# Altium PCB meltdown_hardware.PcbDoc (part 2 of 2)
Units mm, origin at the board's own origin, x right, y up, seen from the top; angles counter-clockwise.
Board outline 88 x 80 mm, 4 copper layers (Top Layer, PWR, GND, Bottom Layer), stack 1.566 mm thick; 95 components, 85 nets, 364 pads, 184 vias.
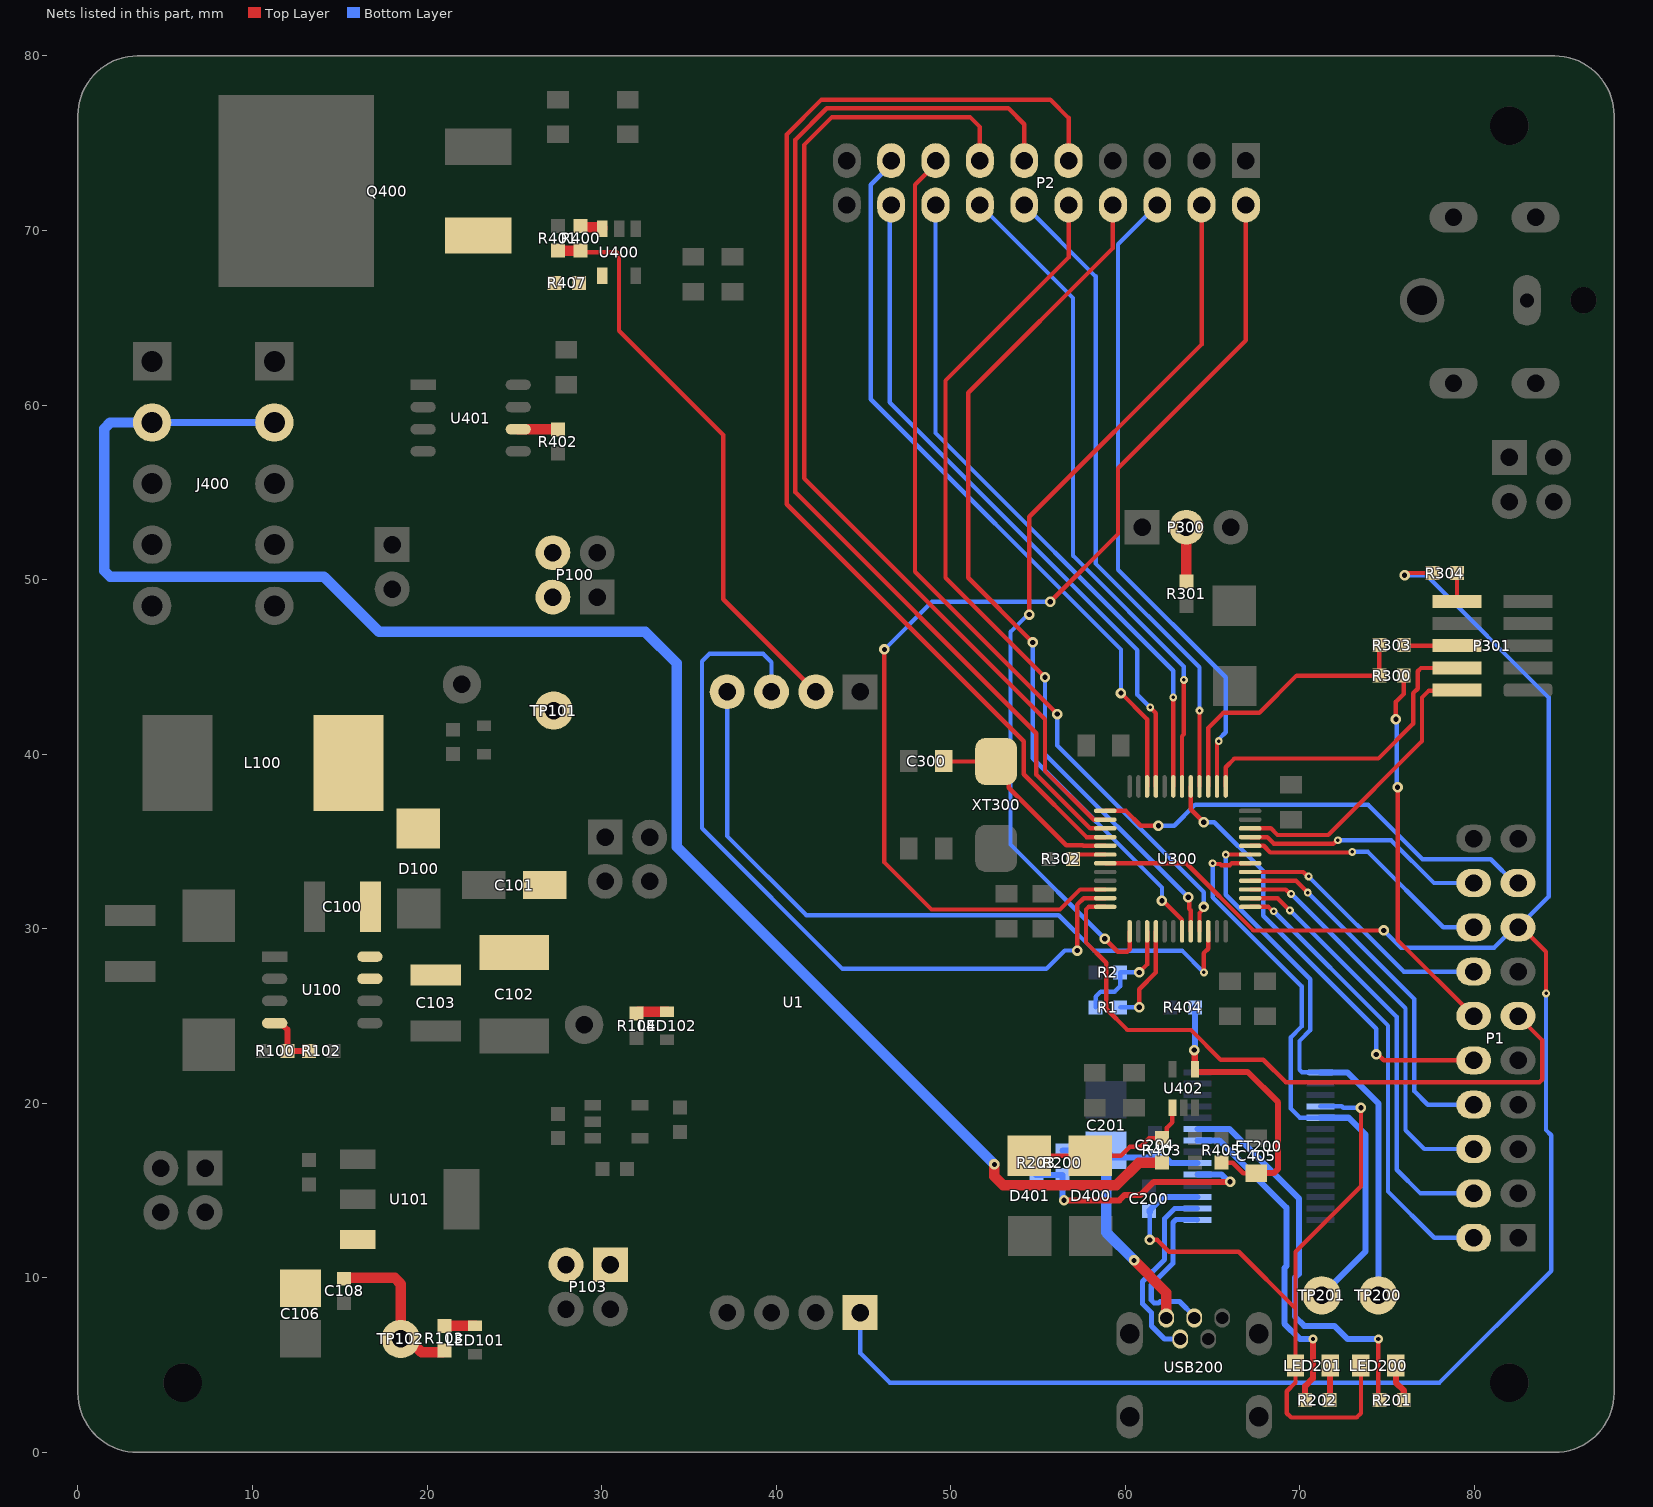
[diagram p4: the nets of this part, all layers, seen from the top]

## Via types
v1: diameter 0.6, hole 0.3, Top Layer to Bottom Layer, 148 vias
v2: diameter 0.45, hole 0.2, Top Layer to Bottom Layer, 20 vias
v3: diameter 0.55, hole 0.3, Top Layer to Bottom Layer, 11 vias
v4: diameter 0.5, hole 0.25, Top Layer to Bottom Layer, 4 vias
v5: diameter 1.27, hole 0.711, Top Layer to Bottom Layer, 1 vias

## Nets (pads, with @x,y where several pads share a name; then routed paths per layer and width w, separated by ;. In a path a pad name is that pad's centre, name@x,y a point inside that pad or via, vN(x,y) a via of type N, cw(c..) or ccw(c..) an arc to the next point about the centre after c; other vN are vias at no path point) (continued)
NetLED101_1: LED101.1 R103.1 | length 1.7
  Top Layer w0.6: R103.1@21,7.25 LED101.1@22.75,7.25
NetLED102_1: LED102.1 R104.1 | length 1.8
  Top Layer w0.6: R104.1@32,25.15 32.1,25.25 LED102.1@33.75,25.25
NetLED200_0: LED200.0 R201.0 | length 2.2
  Top Layer w0.35: LED200.0@75.5,4.975 75.5,4 75.95,3.55 R201.0@75.95,3
NetLED201_0: LED201.0 R202.0 | length 2
  Top Layer w0.35: R202.0@71.725,3 71.725,4.95 LED201.0@71.75,4.975
NetP1_17: P1.17 U300.28 | length 21.2
  Top Layer w0.25: U300.28@67.15,32.75 69.775,32.75 v2(70.45,32.075)
  Bottom Layer w0.25: v2(70.45,32.075) 76.55,25.975 76.55,20.7 77.33,19.92 P1.17@79.96,19.92
NetP1_18: P1.18 U300.27 | length 23.1
  Top Layer w0.25: U300.27@67.15,32.25 69.196,32.25 69.446,32 v2(69.5,32)
  Bottom Layer w0.25: v2(69.5,32) 76.05,25.45 76.05,18.45 77.12,17.38 P1.18@79.96,17.38
NetP1_19: P1.19 U300.26 | length 24.9
  Top Layer w0.25: U300.26@67.15,31.75 68.725,31.75 v2(69.425,31.05)
  Bottom Layer w0.25: v2(69.425,31.05) 69.45,31.05 75.55,24.95 75.55,16.2 76.91,14.84 P1.19@79.96,14.84
NetP1_20: P1.20 U300.25 | length 26.2
  Top Layer w0.25: U300.25@67.15,31.25 68.196,31.25 68.446,31 v2(68.5,31)
  Bottom Layer w0.25: v2(68.5,31) 75.05,24.45 75.05,14.95 77.7,12.3 P1.20@79.96,12.3
NetP300_2: P300.2 R301.0 | length 3.1
  Top Layer w0.6: R301.0@63.5,49.9 P300.2@63.5,53
NetQ400_1: Q400.1 R407.0 | length 0.3
  Top Layer w0.6: Q400.1@22.939,69.71 Q400.1@23.149,69.5
NetR400_0: R400.0 U400.3 | length 1.4
  Top Layer w0.6: R400.0@28.8,70.25 28.875,70.175 30.05,70.175 U400.3@30.05,70.1
NetR400_1: R400.1 R401.0 U1.6 | length 33.3
  Top Layer w0.25: R400.1@28.8,68.85 28.9,68.75 30.854,68.75 31,68.604 31,64.25 36.968,58.282 36.968,48.872 U1.6@42.27,43.57
  Top Layer w0.6: R401.0@27.5,68.85 R400.1@28.8,68.85
NetR402_0: R402.0 U401.6 | length 2.3
  Top Layer w0.6: U401.6@25.225,58.615 25.65,58.615 25.654,58.611 R402.0@27.5,58.611
NetR407_1: R407.1 U400.4
nRESET: P1.8 R304.0 U1.4 U300.7 | length 118.7
  Top Layer w0.25: U300.7@58.85,33.75 63.489,33.75 67.339,29.9 v1(74.8,29.9) ; v1(76,50.25) 76.095,50.25 76.22,50.375 R304.0@77.6,50.375 ; P1.8@82.5,30.08 82.7,30.08 84.1,28.68 v2(84.1,26.3)
  Bottom Layer w0.25: U1.4@44.81,8.01 44.81,5.69 46.5,4 78,4 84.4,10.4 84.4,18.173 84.1,18.473 v2(84.1,26.3) ; v1(74.8,29.9) 75.795,28.905 81.125,28.905 82.3,30.08 P1.8@82.5,30.08 84.25,31.83 84.25,43.25 77.25,50.25 v1(76,50.25)
OP_IN-: R1.1 R2.1 U300.15 | length 6.7
  Top Layer w0.25: v1(60.8,27.5) 61.25,27.95 U300.15@61.25,29.85
  Bottom Layer w0.25: R1.1@58.3,25.5 58.3,26.1 58.6,26.4 59.4,26.4 59.7,26.7 R2.1@59.7,27.5 v1(60.8,27.5)
OP_OUT: R1.0 U300.16 | length 5.8
  Top Layer w0.25: v1(60.8,25.5) 60.8,26.54 61.75,27.49 U300.16@61.75,29.85
  Bottom Layer w0.25: R1.0@59.7,25.5 v1(60.8,25.5)
OSC_IN: C300.0 U300.5 XT300.2 | length 11.7
  Top Layer w0.25: XT300.2@52.6,39.58 53.324,38.856 53.324,38.076 56.621,34.779 57.557,34.779 57.586,34.75 U300.5@58.85,34.75
  Top Layer w0.254: C300.0@49.6,39.6 49.62,39.58 XT300.2@52.6,39.58
OSC_OUT: R302.0 U300.6 | length 2
  Top Layer w0.25: R302.0@57,34 57.25,34.25 U300.6@58.85,34.25
PA0: P2.20 U300.10 | length 64.5
  Top Layer w0.25: v1(46.2,46) 46.2,33.8 48.9,31.1 56.261,31.1 57.411,32.25 U300.10@58.85,32.25 ; v1(55.7,48.725) 59.585,52.61 59.585,56.385 66.91,63.71 P2.20@66.91,71.46
  Bottom Layer w0.25: v1(46.2,46) 48.925,48.725 v1(55.7,48.725)
PA3: P2.19 U300.13 | length 51.7
  Top Layer w0.25: v1(54.5,48) 54.5,53.6 64.37,63.47 P2.19@64.37,71.46 ; v1(58.825,29.425) 59.571,28.679 60.104,28.679 60.25,28.825 U300.13@60.25,29.85
  Bottom Layer w0.25: v1(54.5,48) 54.421,48 53.425,47.004 53.425,34.825 v1(58.825,29.425)
PA8: P1.14 U300.29 | length 15.2
  Top Layer w0.25: U300.29@67.15,33.25 70.196,33.25 70.446,33 v2(70.5,33)
  Bottom Layer w0.25: v2(70.5,33) 75.96,27.54 P1.14@79.96,27.54
PA11: P1.13 U300.32 | length 14.8
  Top Layer w0.25: U300.32@67.15,34.75 67.925,34.75 68.304,34.371 72.971,34.371 v2(73,34.4)
  Bottom Layer w0.25: v2(73,34.4) 73.9,34.4 78.22,30.08 P1.13@79.96,30.08
PA12: P1.12 U300.33 | length 14.1
  Top Layer w0.25: U300.33@67.15,35.25 68.132,35.25 68.511,34.871 71.921,34.871 72.123,35.073 v2(72.177,35.073)
  Bottom Layer w0.25: v2(72.177,35.073) 75.227,35.073 77.68,32.62 P1.12@79.96,32.62
PA15: P2.18 U300.38 | length 37
  Top Layer w0.25: U300.38@65.25,38.15 65.25,40.592 65.354,40.696 v2(65.354,40.75)
  Bottom Layer w0.25: P2.18@61.83,71.46 59.581,69.211 59.581,50.569 65.75,44.4 65.75,41.25 65.392,40.892 65.392,40.788 v2(65.354,40.75)
PB1: P2.17 U300.19 | length 50.2
  Top Layer w0.25: v1(54.7,46.4) 51,50.1 51,60.7 59.29,68.99 P2.17@59.29,71.46 ; v1(62.1,31.6) 62.161,31.6 63.25,30.511 U300.19@63.25,29.85
  Bottom Layer w0.25: v1(54.7,46.4) 54.7,39.76 62.1,32.36 v1(62.1,31.6)
PB2: P2.16 U300.20 | length 50.3
  Top Layer w0.25: v1(55.4,44.4) 49.7,50.1 49.7,61.4 56.75,68.45 P2.16@56.75,71.46 ; v1(63.6,31.8) 63.667,31.733 63.667,31.138 63.75,31.055 U300.20@63.75,29.85
  Bottom Layer w0.25: v1(55.4,44.4) 55.4,40 v1(63.6,31.8)
PB3: R300.1 R303.0 U300.39 | length 16.1
  Top Layer w0.25: U300.39@64.75,38.15 64.75,41.5 65.621,42.371 67.682,42.371 69.811,44.5 R300.1@74.55,44.5 R303.0@74.55,46.25
PB4: P2.15 U300.40 | length 37.5
  Top Layer w0.25: U300.40@64.25,38.15 v2(64.25,42.5)
  Bottom Layer w0.25: P2.15@54.21,71.46 58.3,67.37 58.3,50.925 64.25,44.975 v2(64.25,42.5)
PB6: P2.14 U300.42 | length 38.2
  Top Layer w0.25: U300.42@63.25,38.15 63.25,41.036 63.354,41.14 v2(63.354,44.25)
  Bottom Layer w0.25: P2.14@51.67,71.46 57,66.13 57,51.375 63.354,45.021 v2(63.354,44.25)
PB7: P2.13 U300.43 | length 39
  Top Layer w0.25: U300.43@62.75,38.15 v2(62.75,43.25)
  Bottom Layer w0.25: P2.13@49.13,71.46 49.13,58.395 62.75,44.775 v2(62.75,43.25)
PB8: P2.12 U300.45 | length 39.8
  Top Layer w0.25: P2.12@46.5,71.37 P2.12@46.59,71.46 ; v2(61.427,42.677) 61.75,42.354 U300.45@61.75,38.15
  Bottom Layer w0.25: P2.12@46.602,71.448 P2.12@46.59,71.46 46.5,71.37 46.5,60.15 60.694,45.956 60.694,43.41 v2(61.427,42.677)
PB9: P2.9 U300.46 | length 43.4
  Top Layer w0.25: v1(59.75,43.5) 61.25,42 U300.46@61.25,38.15
  Bottom Layer w0.25: P2.9@46.59,74.485 P2.9@46.59,74 46.59,73.8 45.415,72.625 45.415,60.335 59.75,46 v1(59.75,43.5)
PB10: P2.8 U300.21 | length 51.6
  Top Layer w0.25: P2.8@49.13,74 49.13,73.8 47.955,72.625 47.955,50.445 v1(56.1,42.3) ; U300.21@64.25,29.85 64.25,30.905 64.5,31.155 v1(64.5,31.25)
  Bottom Layer w0.25: v1(56.1,42.3) 56.1,40.5 64.5,32.1 v1(64.5,31.25)
PC13: P2.7 U300.2 | length 59.1
  Top Layer w0.25: P2.7@51.67,74 51.67,75.93 51.104,76.496 43.196,76.496 41.6,74.9 41.6,55.8 55.4,42 55.4,39.039 58.189,36.25 U300.2@58.85,36.25
PC14: P2.6 U300.3 | length 63.6
  Top Layer w0.25: P2.6@54.21,74 54.21,76.09 53.304,76.996 42.896,76.996 41.1,75.2 41.1,55 54.9,41.2 54.9,38.832 57.982,35.75 U300.3@58.85,35.75
PC15: P2.5 U300.4 | length 68.3
  Top Layer w0.25: P2.5@56.75,74 56.75,76.45 55.704,77.496 42.596,77.496 40.6,75.5 40.6,54.315 54.179,40.736 54.179,38.845 57.774,35.25 U300.4@58.85,35.25
PH: C100.1 D100.1 L100.2 U100.8
PROT_INT: U1.8 U300.22 | length 41.3
  Top Layer w0.25: v2(64.5,27.5) 64.5,28.604 64.75,28.854 U300.22@64.75,29.85
  Bottom Layer w0.25: U1.8@37.19,43.57 37.19,35.31 41.731,30.769 56.191,30.769 58.214,28.746 63.254,28.746 v2(64.5,27.5)
RESET#: FT200.19 R200.1 R203.0 | length 15
  Top Layer w0.35: v1(56.488,14.443) 59.651,14.443 59.959,14.75 60.875,14.75 61.625,15.5 v1(66,15.5)
  Bottom Layer w0.35: R203.0@54.9,15.9 R200.1@56.4,15.9 56.4,14.599 56.488,14.51 v1(56.488,14.443) ; FT200.19@64.125,15.925 65.507,15.925 65.932,15.5 v1(66,15.5)
RXD: FT200.5 TP201.0 U300.30 | length 33.8
  Top Layer w0.25: v2(65,33.75) 65.038,33.712 65.434,33.712 65.5,33.646 66,33.646 66.104,33.75 U300.30@67.15,33.75
  Bottom Layer w0.25: v2(65,33.75) 65,31.8 70.1,26.7 70.1,24.4 69.475,23.775 69.475,19.7 70,19.175 FT200.5@71.175,19.175
  Bottom Layer w0.35: FT200.5@71.175,19.175 72.794,19.175 73.75,18.219 73.75,11.5 TP201.0@71.25,9
RXLED: FT200.22 R202.1 | length 19.1
  Top Layer w0.35: R202.1@70.3,3 70.3,3.793 70.75,4.243 v4(70.75,6.5)
  Bottom Layer w0.35: FT200.22@64.125,17.875 65.375,17.875 69.229,14.021 69.229,10.672 69.117,10.56 69.117,7.383 70,6.5 v4(70.75,6.5)
SENSE: R100.1 R102.0 U100.4 | length 3.4
  Top Layer w0.35: U100.4@11.275,24.595 11.632,24.595 12,24.227 R100.1@12,23 R102.0@13.25,23
SPI3_MOSI: P1.16 U300.41 | length 25.8
  Top Layer w0.25: U300.41@63.75,38.15 63.75,36.85 v1(64.5,36.1) ; v1(74.371,22.8) 74.466,22.8 74.806,22.46 P1.16@79.96,22.46
  Bottom Layer w0.25: v1(64.5,36.1) 65.1,36.1 67.896,33.304 67.896,30.75 74.371,24.275 v1(74.371,22.8)
SPI3_SCK: P1.15 R300.0 | length 21.5
  Top Layer w0.25: v1(75.5,42) 75.5,43 75.95,43.45 R300.0@75.95,44.5 ; v1(75.6,38.1) 75.6,29.36 P1.15@79.96,25
  Bottom Layer w0.25: v1(75.5,42) 75.55,41.95 75.55,38.15 v1(75.6,38.1)
T_NRST: P301.10 R304.1 | length 1.6
  Top Layer w0.254: P301.10@79,48.75 R304.1@79,50.375
T_SWCLK: P301.4 U300.37 | length 18.3
  Top Layer w0.25: U300.37@65.75,38.15 65.75,39.25 66.25,39.75 74.5,39.75 76.5,41.75 76.5,43.5 76.75,43.75 76.75,44.75 76.94,44.94 P301.4@79,44.94
T_SWDIO: P301.2 U300.34 | length 16.9
  Top Layer w0.25: U300.34@67.15,35.75 68.339,35.75 68.718,35.371 71.621,35.371 77,40.75 77,43.25 77.374,43.624 78.954,43.624 P301.2@79,43.67
T_SWO: P301.6 R303.1 | length 3.1
  Top Layer w0.25: R303.1@75.95,46.25 75.98,46.22 P301.6@79,46.22
TEMP_SENSE_IN: J400.2 R403.0 | length 100.3
  Top Layer w0.6: v1(52.5,16.5) 52.5,15.817 53.021,15.296 55.979,15.296 ; 55.98,15.297 56.52,15.297 ; 56.521,15.296 59.479,15.296 60.783,16.6 R403.0@62.1,16.6
  Bottom Layer w0.4: J400.2@4.25,59 J400.2@11.25,59
  Bottom Layer w0.6: J400.2@4.25,59 1.851,59 1.5,58.649 1.5,50.505 1.851,50.154 14.096,50.154 17.25,47 32.5,47 34.3,45.2 34.3,34.7 v1(52.5,16.5)
TEMP_SENSE_IN_R: D400.1 D401.2 R403.1 U402.1 | length 10
  Top Layer w0.254: D401.2@54.5,17 D400.1@58,17 59.75,17 60.25,17.5 60.857,17.5 61.357,18 R403.1@62.1,18 62.373,18.273 62.373,18.591 62.7,18.918 U402.1@62.7,19.75
TEMP_SENSE_OP_OUT_R: C405.0 R404.0 R405.1 U402.4 | length 16.6
  Top Layer w0.254: R405.1@65.5,16.6 66.15,16.6 66.75,16 C405.0@67.5,16
  Top Layer w0.35: v1(63.95,23.05) 63.975,23.025 63.975,21.875 64.05,21.8 67,21.8 68.75,20.05 68.75,16.25 68.5,16 C405.0@67.5,16
  Bottom Layer w0.35: v1(63.95,23.05) 63.95,23.118 64,23.168 R404.0@64,25.5
TIM2_2: U1.7 U300.11 | length 45.3
  Top Layer w0.25: v1(57.25,28.75) 57.25,31.382 57.618,31.75 U300.11@58.85,31.75
  Bottom Layer w0.25: U1.7@39.73,43.57 39.73,45.27 39.25,45.75 36.183,45.75 35.75,45.317 35.75,35.75 43.8,27.7 55.477,27.7 56.527,28.75 v1(57.25,28.75)
TIM2_3: P1.6 U300.12 | length 38.3
  Top Layer w0.25: U300.12@58.85,31.25 57.896,31.25 57.75,31.104 57.75,29.21 58.905,28.055 58.905,25.416 60.121,24.2 63.76,24.2 65.46,22.5 67.9,22.5 69.2,21.2 83.729,21.2 83.875,21.346 83.875,23.625 P1.6@82.5,25
TXD: FT200.1 TP200.0 U300.31 | length 32.3
  Top Layer w0.25: v2(65.75,34.25) U300.31@67.15,34.25
  Bottom Layer w0.25: v2(65.75,34.25) 65.75,31.95 70.6,27.1 70.6,24.193 69.975,23.568 69.975,21.921 70.121,21.775 FT200.1@71.175,21.775
  Bottom Layer w0.35: FT200.1@71.175,21.775 72.725,21.775 74.5,20 TP200.0@74.5,9
TXLED: FT200.23 R201.1 | length 23.2
  Top Layer w0.25: v4(74.5,6.5) 74.5,3.05 R201.1@74.55,3
  Top Layer w0.35: v4(74.5,6.5) v4@74.525,6.475
  Bottom Layer w0.35: FT200.23@64.125,18.525 65.975,18.525 69.946,14.554 69.946,10.235 69.721,10.01 69.721,7.779 70.25,7.25 71.973,7.25 72.723,6.5 v4(74.5,6.5)
USBD_N: FT200.16 USB200.2 | length 11
  Bottom Layer w0.296: USB200.2@63.15,6.5 62.25,6.5 61.502,7.249 61.502,8.004 60.986,8.519 60.986,9.791 62.239,11.043 62.239,13.384 62.83,13.975 FT200.16@64.125,13.975
USBD_P: FT200.15 USB200.3 | length 9.5
  Bottom Layer w0.296: USB200.3@63.95,7.7 63.95,7.8 63.102,8.648 61.999,8.648 61.902,8.551 61.656,8.551 61.483,8.725 61.483,9.585 62.735,10.838 62.735,13.178 62.909,13.352 64.098,13.352 FT200.15@64.125,13.325
VBAT: P1.9 U300.1 | length 26.4
  Top Layer w0.25: U300.1@58.85,36.75 60.04,36.75 60.89,35.9 v1(61.9,35.9)
  Bottom Layer w0.25: v1(61.9,35.9) 62.8,35.9 64,37.1 73.907,37.1 77.022,33.985 80.935,33.985 82.3,32.62 P1.9@82.5,32.62
VBus: C201.2 C204.1 FT200.20 R200.0 USB200.1 | length 19.1
  Top Layer w0.6: v1(60.5,11) 62.35,9.15 USB200.1@62.35,7.7
  Bottom Layer w0.35: R200.0@56.4,17.3 C201.2@58.9,17.3 59.3,16.9 C204.1@61.7,16.9 62.3,16.9 62.625,16.575 FT200.20@64.125,16.575
  Bottom Layer w0.6: C201.2@58.9,17.3 58.9,12.6 v1(60.5,11)
VCCIO: C200.1 FT200.4 FT200.17 LED200.1 LED201.1 | length 43.5
  Top Layer w0.25: v1(61.4,12.175) 61.825,12.175 62.5,11.5 66.5,11.5 69.75,8.25 ; LED200.1@73.5,4.975 73.5,2.25 73.25,2 69.5,2 69.25,2.25 69.25,3.5 69.75,4 LED201.1@69.75,4.975 69.75,8.25 ; v1(73.5,19.75) 73.5,15.25 69.75,11.5 69.75,8.25
  Bottom Layer w0.25: v1(61.4,12.175) C200.1@61.4,13.775 ; FT200.4@71.175,19.825 72.407,19.825 72.482,19.75 v1(73.5,19.75)
  Bottom Layer w0.35: C200.1@61.4,13.775 61.4,13.875 61.921,14.396 61.928,14.396 62.157,14.625 FT200.17@64.125,14.625
Vin: C101.2 C102.1 C103.1 P100.3 P100.4 TP101.0 U100.7
VREG_3V3_OUT: C106.2 C108.1 P103.1 P103.2 R103.0 TP102.0 U101.3 | length 9.6
  Top Layer w0.6: C108.1@15.252,9.95 15.302,10 18.149,10 18.5,9.649 TP102.0@18.5,6.5 18.933,6.5 19.683,5.75 20.9,5.75 R103.0@21,5.85 ; U101.3@16.025,12.2 U101.3@16.124,12.101
pads on no net: FT200.2 FT200.3 FT200.6 FT200.8 FT200.9 FT200.10 FT200.11 FT200.12 FT200.13 FT200.14 FT200.24 FT200.27 FT200.28 J100. P301.7 P301.8 U100.2 U100.3 U100.5 U400.1 USB200.4 USB200.6

## Polygon pours and split planes (outlines as drawn)
5V_P on Top Layer "5V_P_L01_P001" (solid, remove dead copper, pour order 1): 3,42.75 2.5,42.25 2.5,33 2,32.5 1.5,32.5 1,32 1,30 1.25,29.75 5,29.75 5.75,29 9.25,29 9.5,29.25 9.5,32.25 8,33.75 8,42.5 7.75,42.75
NetR407_1 on Top Layer "NETR407_1_L01_P038" (solid, remove dead copper, pour order 38): 28.15,67.95 28.15,64.6 28.5,64.25 30.25,64.25 30.5,64.5 30.5,68 30.4,68.1 28.3,68.1
NetQ400_1 on Top Layer "NETQ400_1_L01_P037" (solid, remove dead copper, pour order 37): 20.75,71.25 20.25,70.75 20.25,64.75 20.75,64.25 27.5,64.25 27.875,64.625 27.875,67.925 27.7,68.1 26.3,68.1 25.6,68.8 25.6,70.7 25.05,71.25
PH on Top Layer "PH_L01_P002" (solid, remove dead copper, pour order 2): 17.5,28 15.4,28 15.1,28.3 15.1,33.8 13,35.9 13,42.25 13.5,42.75 17.5,42.75 18,42.25 18,37.5 18.25,37.25 20.75,37.25 21,37 21,34.5 20.75,34.25 18.25,34.25 17.75,33.75 17.75,28.25
12V on Top Layer "12V_L01_P035" (solid, remove dead copper, pour order 35): 86.6,16.3 87.2,16.9 87.2,57.3 85.8,58.7 80.7,58.7 80.1,58.1 80.1,53.4 81.2,52.3 84.2,52.3 84.8,51.7 84.8,21.2 84.4,20.8 81.8,20.8 81.3,20.3 81.3,16.7 81.7,16.3
12V on Top Layer "12V_L01_P019" (solid, remove dead copper, pour order 19): 33.75,67.25 33.5,67.5 33.5,68 33.25,68.25 31.75,68.25 31.5,68 31.5,64.5 31.75,64.25 38.75,64.25 39,64.5 39,67 38.75,67.25
12V on Top Layer "Top Layer-12V" (solid, remove dead copper, pour order 32): 20.25,72.5 20.75,72 38.75,72 39,72.25 39,75.75 38.5,76.25 26.5,76.25 25.75,77 25.75,78.25 25.25,78.75 21,78.75 20.25,78
GND on Top Layer "GND_L01_P020" (solid, remove dead copper, pour order 20): 34.25,67.75 38.75,67.75 39,68 39,70 38.75,70.25 34.25,70.25 34,70 34,68
HEAT_CSENSE_OUT on Top Layer "HEAT_CSENSE_OUT_L01_P030" (solid, remove dead copper, pour order 30): 20.25,59 12.75,59 12.25,58.5 3.75,58.5 3,57.75 3,54 3.75,53.25 20.25,53.25 20.5,53.5 20.5,58.75
HEAT_CSENSE_IN on Top Layer "HEAT_CSENSE_IN_L01_P024" (solid, remove dead copper, pour order 24): 20.25,59.5 5.5,59.5 3.75,61.25 3.75,77.75 5,79 16.75,79 17.25,78.5 17.25,66.5 20.5,63.25 20.5,59.75
GND on Top Layer "GND_L01_P023" (solid, remove dead copper, pour order 23): 30.75,77 30.75,78.25 30.5,78.5 30.5,79 30.75,79.25 32.25,79.25 32.5,79 32.5,78.5 32.25,78.25 32.25,77 32,76.75 31,76.75
GND on Top Layer "GND_L01_P022" (solid, remove dead copper, pour order 22): 26.75,77 26.75,78.25 26.5,78.5 26.5,79 26.75,79.25 28.25,79.25 28.5,79 28.5,78.5 28.25,78.25 28.25,77 28,76.75 27,76.75
5V on Top Layer "5V_L01_P010" (solid, remove dead copper, pour order 10): 30.1,17.6 28.35,17.6 27.5,16.75 17.75,16.75 17,16 15.25,16 15,16.25 15,17.5 15.25,17.75 26,17.75 26.65,18.4 28.1,18.4 28.2,18.3 30,18.3 30.1,18.2
Vin on Top Layer "Top Layer-Vin" (solid, remove dead copper, pour order 16): 27.3,29.8 28.5,31 28.5,52.5 27.75,53.25 26,53.25 25.25,52.5 25.25,30.15 25,29.9 22.9,29.9 22.7,29.7 22.7,28.6 22.3,28.2 19,28.2 18.5,27.7 16,27.7 15.8,27.5 15.8,26.9 16,26.7 18.7,26.7 18.9,26.5 22.3,26.5 23.1,27.3 27.1,27.3 27.3,27.5
5V on Top Layer "5V_L01_P008" (solid, remove dead copper, pour order 8): 17,17.75 12.75,17.75 11.25,16.25 11.25,15.375 10.75,15 3.75,15 3.25,14.5 3.25,12.75 3.75,12.25 11.25,12.25 12.75,13.75 12.75,15.75 13,16 17,16 17.25,16.25 17.25,17.5
VREG_3V3_OUT on Top Layer "VREG_3V3_OUT_L01_P013" (solid, remove dead copper, pour order 13): 11.6,8.1 14,8.1 14.4,8.5 14.4,9.2 14.6,9.4 31.6,9.4 32,9.8 32,12.2 31.6,12.6 26.2,12.6 25.8,12.2 25.8,10.9 25.3,10.4 17.8,10.4 17.4,10.8 17.4,12.8 17.1,13.1 14.9,13.1 14.5,12.7 14.5,11.2 14.1,10.8 11.6,10.8 11.3,10.5 11.3,8.4
GND on Top Layer "GND_L01_P006" (solid, remove dead copper, pour order 6): 15,26.25 18.75,26.25 19,26 19,25.25 19.25,25 27,25 27.25,24.75 27.25,22.75 27,22.5 23,22.5 22.25,23.25 19,23.25 18.5,23.75 18.5,24.5 17.75,25.25 15,25.25 14.75,25.5 14.75,26
GND on Top Layer "GND_L01_P005" (solid, remove dead copper, pour order 5): 6,25.25 5.75,25 5.75,20.75 6,20.5 9,20.5 9.25,20.75 9.25,25 9,25.25
GND on Top Layer "GND_L01_P004" (solid, remove dead copper, pour order 4): 1.5,28.5 1.25,28.25 1.25,25.75 1.5,25.5 4.5,25.5 4.75,25.75 4.75,28.25 4.5,28.5
12V on Bottom Layer "Bottom Layer-12V" (solid, remove dead copper, pour order 34): 20.75,72.75 21.5,72 37.25,72 37.75,72.5 37.75,76 37.25,76.5 26.25,76.5 25.5,77.25 25.5,78.5 25.25,78.75 21,78.75 20.75,78.5 20.75,74
HEAT_CSENSE_OUT on Bottom Layer "HEAT_CSENSE_OUT_L04_P029" (solid, remove dead copper, pour order 29): 20.25,59 12.75,59 12.25,58.5 3.75,58.5 3,57.75 3,54 3.75,53.25 20.25,53.25 20.5,53.5 20.5,58.75
HEAT_CSENSE_IN on Bottom Layer "HEAT_CSENSE_IN_L04_P027" (solid, remove dead copper, pour order 27): 20.25,59.5 5.5,59.5 3.75,61.25 3.75,77.75 5,79 16.75,79 17.25,78.5 17.25,66.5 20.5,63.25 20.5,59.75
3V3A on PWR (split plane): 54.548,33.166 54.548,21.584 53.166,20.202 33.084,20.202 31.702,21.584 31.702,35.416 32.584,36.298 51.416,36.298
5V_P on PWR (split plane): 24.798,43.584 23.666,42.452 8.5,42.452 8.448,42.445 8.399,42.425 8.357,42.393 8.107,42.143 8.075,42.101 8.055,42.052 8.048,42 8.048,29.584 5.107,26.643 5.075,26.601 5.055,26.552 5.048,26.5 5.048,20.25 5.055,20.198 5.075,20.149 5.107,20.107 5.857,19.357 5.881,19.339 5.899,19.325 5.948,19.305 6,19.298 8.166,19.298 9.548,17.916 9.548,15.202 0.51,15.202 0.51,47.048 24.798,47.048
3V3 on PWR (split plane): 68.048,48.75 68.055,48.698 68.075,48.649 68.107,48.607 70.607,46.107 70.649,46.075 70.698,46.055 70.75,46.048 78.666,46.048 81.048,43.666 81.048,8.834 78.666,6.452 20.584,6.452 18.202,8.834 18.202,13.5 18.195,13.552 18.175,13.601 18.143,13.643 16.643,15.143 16.601,15.175 16.552,15.195 16.5,15.202 9.952,15.202 9.952,18 9.945,18.052 9.933,18.081 9.925,18.101 9.893,18.143 8.393,19.643 8.351,19.675 8.302,19.695 8.25,19.702 6.084,19.702 5.452,20.334 5.452,26.416 8.393,29.357 8.411,29.381 8.425,29.399 8.433,29.419 8.445,29.448 8.452,29.5 8.452,41.916 8.584,42.048 23.75,42.048 23.802,42.055 23.851,42.075 23.893,42.107 25.143,43.357 25.175,43.399 25.195,43.448 25.202,43.5 25.202,47.048 31.75,47.048 31.802,47.055 31.851,47.075 31.893,47.107 32.643,47.857 32.675,47.899 32.695,47.948 32.702,48 32.702,52.666 34.834,54.798 68.048,54.798
12V on PWR (split plane): 84.814,79.483 85.04,79.456 85.264,79.411 85.484,79.349 85.698,79.27 85.905,79.175 86.104,79.063 86.294,78.937 86.473,78.795 86.641,78.641 86.795,78.473 86.937,78.294 87.063,78.104 87.175,77.905 87.27,77.698 87.349,77.484 87.411,77.264 87.456,77.04 87.483,76.814 87.491,76.601 87.49,76.586 87.49,52.702 75.584,52.702 73.143,55.143 73.101,55.175 73.052,55.195 73,55.202 34.75,55.202 34.698,55.195 34.649,55.175 34.607,55.143 32.357,52.893 32.325,52.851 32.305,52.802 32.298,52.75 32.298,48.084 31.666,47.452 0.51,47.452 0.51,76.586 0.509,76.602 0.517,76.814 0.544,77.04 0.589,77.264 0.651,77.484 0.73,77.698 0.825,77.905 0.937,78.104 1.063,78.294 1.205,78.473 1.359,78.641 1.527,78.795 1.706,78.937 1.896,79.063 2.095,79.175 2.302,79.27 2.516,79.349 2.736,79.411 2.96,79.456 3.186,79.483 3.399,79.491 3.414,79.49 84.586,79.49 84.601,79.491
5V on PWR (split plane): 75.357,52.357 75.399,52.325 75.448,52.305 75.5,52.298 87.49,52.298 87.49,3.414 87.491,3.399 87.483,3.186 87.456,2.96 87.411,2.736 87.349,2.516 87.27,2.302 87.175,2.095 87.063,1.896 86.937,1.706 86.795,1.527 86.641,1.359 86.473,1.205 86.294,1.063 86.104,0.937 85.905,0.825 85.698,0.729 85.484,0.651 85.264,0.589 85.04,0.544 84.814,0.517 84.601,0.509 84.586,0.51 3.414,0.51 3.399,0.509 3.186,0.517 2.96,0.544 2.736,0.589 2.516,0.651 2.302,0.73 2.095,0.825 1.896,0.937 1.706,1.063 1.527,1.205 1.359,1.359 1.205,1.527 1.063,1.706 0.937,1.896 0.825,2.095 0.729,2.302 0.651,2.516 0.589,2.736 0.544,2.96 0.517,3.186 0.509,3.399 0.51,3.414 0.51,14.798 16.416,14.798 17.798,13.416 17.798,8.75 17.805,8.698 17.825,8.649 17.857,8.607 20.357,6.107 20.399,6.075 20.448,6.055 20.5,6.048 78.75,6.048 78.802,6.055 78.851,6.075 78.893,6.107 81.393,8.607 81.425,8.649 81.445,8.698 81.452,8.75 81.452,43.75 81.445,43.802 81.431,43.837 81.425,43.851 81.393,43.893 78.893,46.393 78.851,46.425 78.802,46.445 78.75,46.452 70.834,46.452 68.452,48.834 68.452,54.798 72.916,54.798
GND on GND (split plane): 84.814,79.483 85.04,79.456 85.264,79.411 85.484,79.349 85.698,79.27 85.905,79.175 86.104,79.063 86.294,78.937 86.473,78.795 86.641,78.641 86.795,78.473 86.937,78.294 87.063,78.104 87.175,77.905 87.27,77.698 87.349,77.484 87.411,77.264 87.456,77.04 87.483,76.814 87.491,76.601 87.49,76.586 87.49,3.414 87.491,3.399 87.483,3.186 87.456,2.96 87.411,2.736 87.349,2.516 87.27,2.302 87.175,2.095 87.063,1.896 86.937,1.706 86.795,1.527 86.641,1.359 86.473,1.205 86.294,1.063 86.104,0.937 85.905,0.825 85.698,0.729 85.484,0.651 85.264,0.589 85.04,0.544 84.814,0.517 84.601,0.509 84.586,0.51 3.414,0.51 3.399,0.509 3.186,0.517 2.96,0.544 2.736,0.589 2.516,0.651 2.302,0.73 2.095,0.825 1.896,0.937 1.706,1.063 1.527,1.205 1.359,1.359 1.205,1.527 1.063,1.706 0.937,1.896 0.825,2.095 0.729,2.302 0.651,2.516 0.589,2.736 0.544,2.96 0.517,3.186 0.509,3.399 0.51,3.414 0.51,76.586 0.509,76.602 0.517,76.814 0.544,77.04 0.589,77.264 0.651,77.484 0.73,77.698 0.825,77.905 0.937,78.104 1.063,78.294 1.205,78.473 1.359,78.641 1.527,78.795 1.706,78.937 1.896,79.063 2.095,79.175 2.302,79.27 2.516,79.349 2.736,79.411 2.96,79.456 3.186,79.483 3.399,79.491 3.414,79.49 84.586,79.49 84.601,79.491

## Other copper
Top Layer:
  region net 5V: 63.25,74.75 63.75,75.25 71.75,75.25 72.25,74.75 72.25,51.5 72,51.25 70,51.25 69.75,51.5 69.75,72 69,72.75 63.5,72.75 63.25,73
PWR (plane layer: these items are gaps in the copper):
  lines w0.1: 36.25,71.5 36.25,71.5
  lines w0.4: 0,15 16.5,15 18,13.5 18,8.75 20.5,6.25 78.75,6.25 81.25,8.75 81.25,43.75 78.75,46.25 70.75,46.25 68.25,48.75 68.25,55 ; 0,47.25 31.75,47.25 32.5,48 32.5,52.75 34.75,55 73,55 75.5,52.5 88,52.5 ; 9.75,15 9.75,18 8.25,19.5 6,19.5 5.25,20.25 5.25,26.5 8.25,29.5 8.25,42 8.5,42.25 23.75,42.25 25,43.5 25,47.25 ; 31.5,21.5 33,20 53.25,20 54.75,21.5 54.75,33.25 51.5,36.5 32.5,36.5 31.5,35.5 31.5,21.5

## Silkscreen, mask and mechanical layers (free items; w line width, h text height)
Top Overlay:
  drawing of 5 lines, arcs and shapes, not listed
  text "JLCJLCJLCJLC" at 77.485,63 h0.8
  text "12V" at 75.926,56.45 h1.5
  text "BOOT0" at 60.001,55 h1.5
  text "IN" at 76.675,54.15 h1.5
  text "|----|" at 30.749,54 h1 r180
  text "3V3" at 59.667,50.25 h1
  text "GND" at 64.667,50.25 h1
  text "12V" at 31.776,49.65 h1.5
  text "|----|" at 30.749,47.5 h1 r180
  text "SB" at 74.417,47 h1
  text "SWO" at 70.667,46 h1
  text "5V" at 21.067,45.65 h1
  text "12V" at 26.15,44.15 h1
  text "SCK" at 70.667,44 h1
  text "SB" at 74.417,42.75 h1
  text "3V3A" at 28.751,38.46 h1.5
  text "|----|" at 33.709,37.75 h1 r180
  text "5V" at 23.75,37.667 h1 r90
  text "|----|" at 33.709,31.25 h1 r180
  text "3V3A" at 27.167,26.25 h1
  text "3V3A" at 34.25,25.917 h1 r90
  text "|----|" at 3.25,12.751 h1 r90
  text "|----|" at 9.75,12.751 h1 r90
  text "5V" at 4.75,10.5 h1.5
  text "RX" at 70.417,10.5 h1
  text "TX" at 73.667,10.5 h1
  text "3V3" at 17.167,8.25 h1
  text "|----|" at 26.5,7.251 h1 r90
  text "|----|" at 33,7.251 h1 r90
  text "3V3" at 27.211,5 h1.5
  text "meltdown_project" at 35.004,2.25 h1.5
  text "3V3" at 23.25,1.417 h1 r90
Bottom Overlay:
  text "rev 1.0" at 46.748,2.25 h1.5
  text "2023" at 55.749,2.25 h1.5
Top Solder:
  region: 62.375,20.375 64.35,20.375 64.35,19.15 62.375,19.15
Mechanical 13:
  the board outline again, w0.1
  text "NOTE: Is the width large enough for ~5A? / The IPC-2221 says 14mm for 5A, 0.5oz (17u). / JLC have 0.5oz on inner layers" at 34.692,80.425 h1
  text "R303 and R300 are mutually exclusive solder bridges for selecting either JTAG debug or SPI /  / Add info on pcb" at 88.192,32.46 h1

## Text inside footprints (layer, text, board x,y; h text height)
C106: Mechanical 13 "+" at 13.9,9.875 h1 r90; Mechanical 13 "+" at 13.217,9.875 h1 r90; Mechanical 13 "+" at 12.533,9.875 h1 r90; Mechanical 13 "+" at 11.85,9.875 h1 r90
C201: Mechanical 13 "+" at 60.05,16.825 h1 r90; Mechanical 13 "+" at 59.367,16.825 h1 r90; Mechanical 13 "+" at 58.683,16.825 h1 r90; Mechanical 13 "+" at 58,16.825 h1 r90